# Altium PCB SONDE_2.PcbDoc (part 2 of 10)
Units mil, origin at the board's own origin, x right, y up, seen from the top; angles counter-clockwise.
Board outline 10236.22 x 6701.71 mil, 4 copper layers (Top Layer, GND, Internal Plane 2, Bottom Layer), stack 30.9 mil thick; 1794 components, 936 nets, 4747 pads, 493 vias.
Unrouted connection lines stored in the file: 1122.
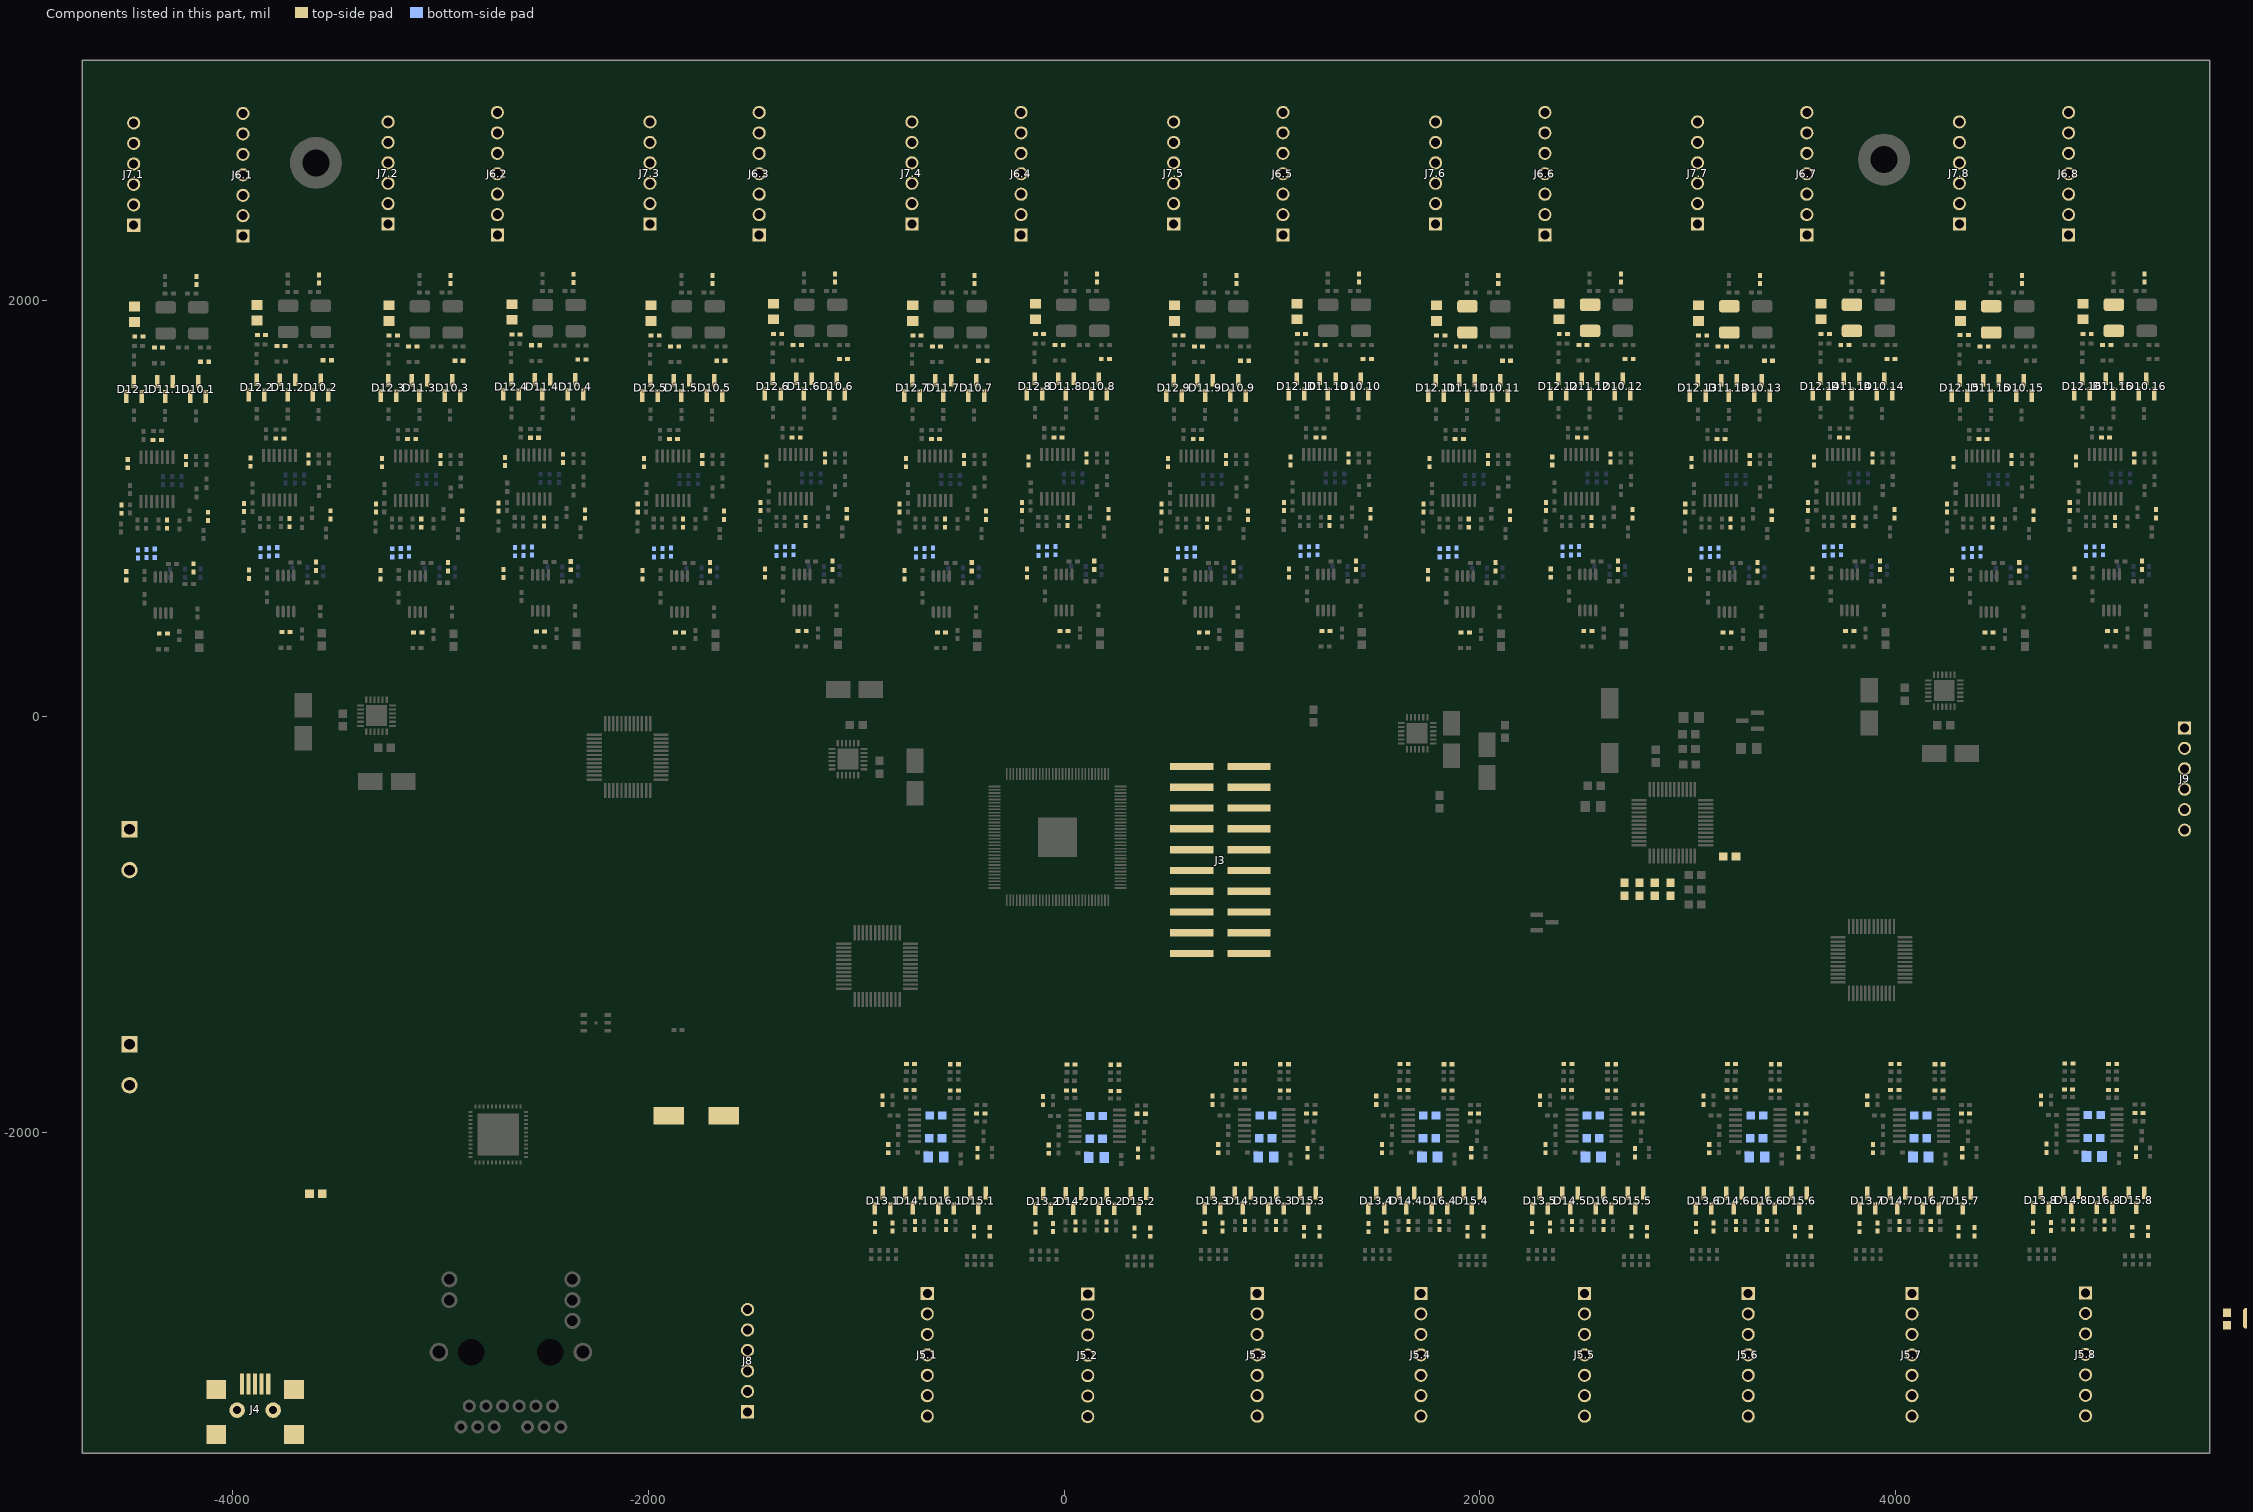
[diagram p4: the components of this part, seen from the top]

## Components (designator, comment, footprint, x,y, rotation, side; value= is the part's Value field where it differs from the comment) (continued)
C72.11 "Capacitor" CAP_1210 1940.18,1911.17 r270 top (schematic designator C72)
C72.12 "Capacitor" CAP_1210 2529.85,1918.65 r270 top (schematic designator C72)
C72.13 "Capacitor" CAP_1210 3200.02,1911.17 r270 top (schematic designator C72)
C72.14 "Capacitor" CAP_1210 3789.7,1918.65 r270 top (schematic designator C72)
C72.15 "Capacitor" CAP_1210 4459.87,1911.17 r270 top (schematic designator C72)
C72.16 "Capacitor" CAP_1210 5049.54,1918.65 r270 top (schematic designator C72)
C73.1 "Capacitor" 0402 -4362.55,1330.78 r0 top (schematic designator C73)
C73.2 "Capacitor" 0402 -3772.88,1338.25 r0 top (schematic designator C73)
C73.3 "Capacitor" 0402 -3138.97,1335.92 r0 top (schematic designator C73)
C73.4 "Capacitor" 0402 -2547.94,1341.51 r0 top (schematic designator C73)
C73.5 "Capacitor" 0402 -1879.13,1335.92 r0 top (schematic designator C73)
C73.6 "Capacitor" 0402 -1289.46,1343.39 r0 top (schematic designator C73)
C73.7 "Capacitor" 0402 -619.29,1335.92 r0 top (schematic designator C73)
C73.8 "Capacitor" 0402 -29.62,1343.39 r0 top (schematic designator C73)
C73.9 "Capacitor" 0402 640.56,1335.92 r0 top (schematic designator C73)
C73.10 "Capacitor" 0402 1230.23,1343.39 r0 top (schematic designator C73)
C73.11 "Capacitor" 0402 1900.4,1335.92 r0 top (schematic designator C73)
C73.12 "Capacitor" 0402 2490.07,1343.39 r0 top (schematic designator C73)
C73.13 "Capacitor" 0402 3160.24,1335.92 r0 top (schematic designator C73)
C73.14 "Capacitor" 0402 3749.91,1343.39 r0 top (schematic designator C73)
C73.15 "Capacitor" 0402 4420.08,1335.92 r0 top (schematic designator C73)
C73.16 "Capacitor" 0402 5009.75,1343.39 r0 top (schematic designator C73)
C74.1 "Capacitor" 0402 -4357.05,1776.03 r0 top (schematic designator C74)
C74.2 "Capacitor" 0402 -3767.37,1783.51 r0 top (schematic designator C74)
C74.3 "Capacitor" 0402 -3133.46,1781.17 r0 top (schematic designator C74)
C74.4 "Capacitor" 0402 -2542.43,1786.76 r0 top (schematic designator C74)
C74.5 "Capacitor" 0402 -1873.62,1781.17 r0 top (schematic designator C74)
C74.6 "Capacitor" 0402 -1283.95,1788.65 r0 top (schematic designator C74)
C74.7 "Capacitor" 0402 -613.78,1781.17 r0 top (schematic designator C74)
C74.8 "Capacitor" 0402 -24.11,1788.65 r0 top (schematic designator C74)
C74.9 "Capacitor" 0402 646.06,1781.17 r0 top (schematic designator C74)
C74.10 "Capacitor" 0402 1235.74,1788.65 r0 top (schematic designator C74)
C74.11 "Capacitor" 0402 1905.91,1781.17 r0 top (schematic designator C74)
C74.12 "Capacitor" 0402 2495.58,1788.65 r0 top (schematic designator C74)
C74.13 "Capacitor" 0402 3165.75,1781.17 r0 top (schematic designator C74)
C74.14 "Capacitor" 0402 3755.42,1788.65 r0 top (schematic designator C74)
C74.15 "Capacitor" 0402 4425.59,1781.17 r0 top (schematic designator C74)
C74.16 "Capacitor" 0402 5015.26,1788.65 r0 top (schematic designator C74)
C75.1 "Capacitor" 0402 -4333.42,399.02 r0 top (schematic designator C75)
C75.2 "Capacitor" 0402 -3743.74,406.49 r0 top (schematic designator C75)
C75.3 "Capacitor" 0402 -3109.83,404.16 r0 top (schematic designator C75)
C75.4 "Capacitor" 0402 -2518.8,409.75 r0 top (schematic designator C75)
C75.5 "Capacitor" 0402 -1849.99,404.16 r0 top (schematic designator C75)
C75.6 "Capacitor" 0402 -1260.32,411.63 r0 top (schematic designator C75)
C75.7 "Capacitor" 0402 -590.15,404.16 r0 top (schematic designator C75)
C75.8 "Capacitor" 0402 -0.48,411.63 r0 top (schematic designator C75)
C75.9 "Capacitor" 0402 669.69,404.16 r0 top (schematic designator C75)
C75.10 "Capacitor" 0402 1259.37,411.63 r0 top (schematic designator C75)
C75.11 "Capacitor" 0402 1929.54,404.16 r0 top (schematic designator C75)
C75.12 "Capacitor" 0402 2519.21,411.63 r0 top (schematic designator C75)
C75.13 "Capacitor" 0402 3189.38,404.16 r0 top (schematic designator C75)
C75.14 "Capacitor" 0402 3779.05,411.63 r0 top (schematic designator C75)
C75.15 "Capacitor" 0402 4449.22,404.16 r0 top (schematic designator C75)
C75.16 "Capacitor" 0402 5038.89,411.63 r0 top (schematic designator C75)
C76.1 "Capacitor" 0402 -4456.08,782.86 r270 bottom (schematic designator C76)
C76.2 "Capacitor" 0402 -3866.4,790.34 r270 bottom (schematic designator C76)
C76.3 "Capacitor" 0402 -3232.49,788 r270 bottom (schematic designator C76)
C76.4 "Capacitor" 0402 -2641.46,793.59 r270 bottom (schematic designator C76)
C76.5 "Capacitor" 0402 -1972.65,788 r270 bottom (schematic designator C76)
C76.6 "Capacitor" 0402 -1382.98,795.47 r270 bottom (schematic designator C76)
C76.7 "Capacitor" 0402 -712.81,788 r270 bottom (schematic designator C76)
C76.8 "Capacitor" 0402 -123.14,795.47 r270 bottom (schematic designator C76)
C76.9 "Capacitor" 0402 547.03,788 r270 bottom (schematic designator C76)
C76.10 "Capacitor" 0402 1136.71,795.47 r270 bottom (schematic designator C76)
C76.11 "Capacitor" 0402 1806.88,788 r270 bottom (schematic designator C76)
C76.12 "Capacitor" 0402 2396.55,795.47 r270 bottom (schematic designator C76)
C76.13 "Capacitor" 0402 3066.72,788 r270 bottom (schematic designator C76)
C76.14 "Capacitor" 0402 3656.39,795.47 r270 bottom (schematic designator C76)
C76.15 "Capacitor" 0402 4326.56,788 r270 bottom (schematic designator C76)
C76.16 "Capacitor" 0402 4916.23,795.47 r270 bottom (schematic designator C76)
C77.1 "Capacitor" 0402 -4415.08,784.93 r270 bottom (schematic designator C77)
C77.2 "Capacitor" 0402 -3825.4,792.41 r270 bottom (schematic designator C77)
C77.3 "Capacitor" 0402 -3191.49,790.07 r270 bottom (schematic designator C77)
C77.4 "Capacitor" 0402 -2600.46,795.66 r270 bottom (schematic designator C77)
C77.5 "Capacitor" 0402 -1931.65,790.07 r270 bottom (schematic designator C77)
C77.6 "Capacitor" 0402 -1341.98,797.55 r270 bottom (schematic designator C77)
C77.7 "Capacitor" 0402 -671.81,790.07 r270 bottom (schematic designator C77)
C77.8 "Capacitor" 0402 -82.14,797.55 r270 bottom (schematic designator C77)
C77.9 "Capacitor" 0402 588.03,790.07 r270 bottom (schematic designator C77)
C77.10 "Capacitor" 0402 1177.71,797.55 r270 bottom (schematic designator C77)
C77.11 "Capacitor" 0402 1847.88,790.07 r270 bottom (schematic designator C77)
C77.12 "Capacitor" 0402 2437.55,797.55 r270 bottom (schematic designator C77)
C77.13 "Capacitor" 0402 3107.72,790.07 r270 bottom (schematic designator C77)
C77.14 "Capacitor" 0402 3697.39,797.55 r270 bottom (schematic designator C77)
C77.15 "Capacitor" 0402 4367.56,790.07 r270 bottom (schematic designator C77)
C77.16 "Capacitor" 0402 4957.23,797.55 r270 bottom (schematic designator C77)
C78.1 "Capacitor" 0402 -4375,785.91 r270 bottom (schematic designator C78)
C78.2 "Capacitor" 0402 -3785.33,793.39 r270 bottom (schematic designator C78)
C78.3 "Capacitor" 0402 -3151.42,791.05 r270 bottom (schematic designator C78)
C78.4 "Capacitor" 0402 -2560.39,796.64 r270 bottom (schematic designator C78)
C78.5 "Capacitor" 0402 -1891.58,791.05 r270 bottom (schematic designator C78)
C78.6 "Capacitor" 0402 -1301.9,798.53 r270 bottom (schematic designator C78)
C78.7 "Capacitor" 0402 -631.73,791.05 r270 bottom (schematic designator C78)
C78.8 "Capacitor" 0402 -42.06,798.53 r270 bottom (schematic designator C78)
C78.9 "Capacitor" 0402 628.11,791.05 r270 bottom (schematic designator C78)
C78.10 "Capacitor" 0402 1217.78,798.53 r270 bottom (schematic designator C78)
C78.11 "Capacitor" 0402 1887.95,791.05 r270 bottom (schematic designator C78)
C78.12 "Capacitor" 0402 2477.62,798.53 r270 bottom (schematic designator C78)
C78.13 "Capacitor" 0402 3147.79,791.05 r270 bottom (schematic designator C78)
C78.14 "Capacitor" 0402 3737.47,798.53 r270 bottom (schematic designator C78)
C78.15 "Capacitor" 0402 4407.64,791.05 r270 bottom (schematic designator C78)
C78.16 "Capacitor" 0402 4997.31,798.53 r270 bottom (schematic designator C78)
C79.1 "Capacitor" 0402 -4119,963.43 r90 top (schematic designator C79)
C79.2 "Capacitor" 0402 -3529.33,970.9 r90 top (schematic designator C79)
C79.3 "Capacitor" 0402 -2895.42,968.57 r90 top (schematic designator C79)
C79.4 "Capacitor" 0402 -2304.39,974.16 r90 top (schematic designator C79)
C79.5 "Capacitor" 0402 -1635.58,968.57 r90 top (schematic designator C79)
C79.6 "Capacitor" 0402 -1045.9,976.04 r90 top (schematic designator C79)
C79.7 "Capacitor" 0402 -375.73,968.57 r90 top (schematic designator C79)
C79.8 "Capacitor" 0402 213.94,976.04 r90 top (schematic designator C79)
C79.9 "Capacitor" 0402 884.11,968.57 r90 top (schematic designator C79)
C79.10 "Capacitor" 0402 1473.78,976.04 r90 top (schematic designator C79)
C79.11 "Capacitor" 0402 2143.95,968.57 r90 top (schematic designator C79)
C79.12 "Capacitor" 0402 2733.62,976.04 r90 top (schematic designator C79)
C79.13 "Capacitor" 0402 3403.79,968.57 r90 top (schematic designator C79)
C79.14 "Capacitor" 0402 3993.47,976.04 r90 top (schematic designator C79)
C79.15 "Capacitor" 0402 4663.64,968.57 r90 top (schematic designator C79)
C79.16 "Capacitor" 0402 5253.31,976.04 r90 top (schematic designator C79)
C80.1 "Capacitor" 0402 -4504.55,1216.72 r90 top (schematic designator C80)
C80.2 "Capacitor" 0402 -3914.88,1224.2 r90 top (schematic designator C80)
C80.3 "Capacitor" 0402 -3280.97,1221.86 r90 top (schematic designator C80)
C80.4 "Capacitor" 0402 -2689.94,1227.45 r90 top (schematic designator C80)
C80.5 "Capacitor" 0402 -2021.13,1221.86 r90 top (schematic designator C80)
C80.6 "Capacitor" 0402 -1431.46,1229.33 r90 top (schematic designator C80)
C80.7 "Capacitor" 0402 -761.29,1221.86 r90 top (schematic designator C80)
C80.8 "Capacitor" 0402 -171.62,1229.33 r90 top (schematic designator C80)
C80.9 "Capacitor" 0402 498.56,1221.86 r90 top (schematic designator C80)
C80.10 "Capacitor" 0402 1088.23,1229.33 r90 top (schematic designator C80)
C80.11 "Capacitor" 0402 1758.4,1221.86 r90 top (schematic designator C80)
C80.12 "Capacitor" 0402 2348.07,1229.33 r90 top (schematic designator C80)
C80.13 "Capacitor" 0402 3018.24,1221.86 r90 top (schematic designator C80)
C80.14 "Capacitor" 0402 3607.91,1229.33 r90 top (schematic designator C80)
C80.15 "Capacitor" 0402 4278.08,1221.86 r90 top (schematic designator C80)
C80.16 "Capacitor" 0402 4867.75,1229.33 r90 top (schematic designator C80)
C81.1 "Capacitor" 0402 -4316.55,925.72 r90 top (schematic designator C81)
C81.2 "Capacitor" 0402 -3726.88,933.2 r90 top (schematic designator C81)
C81.3 "Capacitor" 0402 -3092.97,930.86 r90 top (schematic designator C81)
C81.4 "Capacitor" 0402 -2501.94,936.45 r90 top (schematic designator C81)
C81.5 "Capacitor" 0402 -1833.13,930.86 r90 top (schematic designator C81)
C81.6 "Capacitor" 0402 -1243.46,938.33 r90 top (schematic designator C81)
C81.7 "Capacitor" 0402 -573.29,930.86 r90 top (schematic designator C81)
C81.8 "Capacitor" 0402 16.38,938.33 r90 top (schematic designator C81)
C81.9 "Capacitor" 0402 686.56,930.86 r90 top (schematic designator C81)
C81.10 "Capacitor" 0402 1276.23,938.33 r90 top (schematic designator C81)
C81.11 "Capacitor" 0402 1946.4,930.86 r90 top (schematic designator C81)
C81.12 "Capacitor" 0402 2536.07,938.33 r90 top (schematic designator C81)
C81.13 "Capacitor" 0402 3206.24,930.86 r90 top (schematic designator C81)
C81.14 "Capacitor" 0402 3795.91,938.33 r90 top (schematic designator C81)
C81.15 "Capacitor" 0402 4466.08,930.86 r90 top (schematic designator C81)
C81.16 "Capacitor" 0402 5055.75,938.33 r90 top (schematic designator C81)
C82.1 "Capacitor" 0805 -4471.61,1936.03 r270 top (schematic designator C82)
C82.2 "Capacitor" 0805 -3881.94,1943.51 r270 top (schematic designator C82)
C82.3 "Capacitor" 0805 -3248.03,1941.17 r270 top (schematic designator C82)
C82.4 "Capacitor" 0805 -2657,1946.76 r270 top (schematic designator C82)
C82.5 "Capacitor" 0805 -1988.19,1941.17 r270 top (schematic designator C82)
C82.6 "Capacitor" 0805 -1398.52,1948.65 r270 top (schematic designator C82)
C82.7 "Capacitor" 0805 -728.35,1941.17 r270 top (schematic designator C82)
C82.8 "Capacitor" 0805 -138.67,1948.65 r270 top (schematic designator C82)
C82.9 "Capacitor" 0805 531.5,1941.17 r270 top (schematic designator C82)
C82.10 "Capacitor" 0805 1121.17,1948.65 r270 top (schematic designator C82)
C82.11 "Capacitor" 0805 1791.34,1941.17 r270 top (schematic designator C82)
C82.12 "Capacitor" 0805 2381.01,1948.65 r270 top (schematic designator C82)
C82.13 "Capacitor" 0805 3051.18,1941.17 r270 top (schematic designator C82)
C82.14 "Capacitor" 0805 3640.85,1948.65 r270 top (schematic designator C82)
C82.15 "Capacitor" 0805 4311.02,1941.17 r270 top (schematic designator C82)
C82.16 "Capacitor" 0805 4900.7,1948.65 r270 top (schematic designator C82)
C83.1 "Capacitor" 0402 -4534.84,998.06 r270 top (schematic designator C83)
C83.2 "Capacitor" 0402 -3945.17,1005.54 r270 top (schematic designator C83)
C83.3 "Capacitor" 0402 -3311.26,1003.2 r270 top (schematic designator C83)
C83.4 "Capacitor" 0402 -2720.23,1008.79 r270 top (schematic designator C83)
C83.5 "Capacitor" 0402 -2051.42,1003.2 r270 top (schematic designator C83)
C83.6 "Capacitor" 0402 -1461.74,1010.68 r270 top (schematic designator C83)
C83.7 "Capacitor" 0402 -791.57,1003.2 r270 top (schematic designator C83)
C83.8 "Capacitor" 0402 -201.9,1010.68 r270 top (schematic designator C83)
C83.9 "Capacitor" 0402 468.27,1003.2 r270 top (schematic designator C83)
C83.10 "Capacitor" 0402 1057.94,1010.68 r270 top (schematic designator C83)
C83.11 "Capacitor" 0402 1728.11,1003.2 r270 top (schematic designator C83)
C83.12 "Capacitor" 0402 2317.78,1010.68 r270 top (schematic designator C83)
C83.13 "Capacitor" 0402 2987.95,1003.2 r270 top (schematic designator C83)
C83.14 "Capacitor" 0402 3577.63,1010.68 r270 top (schematic designator C83)
C83.15 "Capacitor" 0402 4247.8,1003.2 r270 top (schematic designator C83)
C83.16 "Capacitor" 0402 4837.47,1010.68 r270 top (schematic designator C83)
C84.1 "Capacitor" 0402 -4451.13,1828.03 r0 top (schematic designator C84)
C84.2 "Capacitor" 0402 -3861.46,1835.51 r0 top (schematic designator C84)
C84.3 "Capacitor" 0402 -3227.55,1833.17 r0 top (schematic designator C84)
C84.4 "Capacitor" 0402 -2636.52,1838.76 r0 top (schematic designator C84)
C84.5 "Capacitor" 0402 -1967.71,1833.17 r0 top (schematic designator C84)
C84.6 "Capacitor" 0402 -1378.04,1840.65 r0 top (schematic designator C84)
C84.7 "Capacitor" 0402 -707.87,1833.17 r0 top (schematic designator C84)
C84.8 "Capacitor" 0402 -118.19,1840.65 r0 top (schematic designator C84)
C84.9 "Capacitor" 0402 551.98,1833.17 r0 top (schematic designator C84)
C84.10 "Capacitor" 0402 1141.65,1840.65 r0 top (schematic designator C84)
C84.11 "Capacitor" 0402 1811.82,1833.17 r0 top (schematic designator C84)
C84.12 "Capacitor" 0402 2401.49,1840.65 r0 top (schematic designator C84)
C84.13 "Capacitor" 0402 3071.66,1833.17 r0 top (schematic designator C84)
C84.14 "Capacitor" 0402 3661.33,1840.65 r0 top (schematic designator C84)
C84.15 "Capacitor" 0402 4330,1835 r0 top (schematic designator C84)
C84.16 "Capacitor" 0402 4921.18,1840.65 r0 top (schematic designator C84)
C85 "Capacitor" 0603 18856.1,3699.03 r90 top
C86 "Capacitor" 0603 18396.1,3699.03 r90 top
C87 "Capacitor" 0805 18173.1,3689.03 r90 top
C88 "Capacitor" 1206 16989.1,3714.03 r0 top
C89 "Capacitor" 0603 17167.1,3699.03 r90 top
C90 "Capacitor_Polarized" CAP_RAD_SMD_DIA157 16509.1,3614.03 r90 top
C91 "Capacitor_Polarized" CAP_RAD_SMD_DIA157 16748.1,3614.03 r90 top
C92 "Capacitor" 0603 15986.1,3699.03 r90 top
C93 "Capacitor_Polarized" CAP_RAD_SMD_DIA157 15571.1,3614.03 r90 top
C94 "Capacitor_Polarized" CAP_RAD_SMD_DIA157 15810.1,3614.03 r90 top
C95 "Capacitor" 0603 15278.1,3699.03 r90 top
C96 "Capacitor" 0603 15048.1,3699.03 r90 top
C97 "Capacitor" 0603 12658.1,3699.03 r90 top
C98 "Capacitor" 0603 11379.1,3699.03 r90 top
C99 "Capacitor" 0603 11609.1,3699.03 r90 top
C100 "Capacitor" 0603 11839.1,3699.03 r90 top
C101 "Capacitor" 0603 12118.1,3699.03 r90 top
C102 "Capacitor" 0603 12378.1,3699.03 r90 top
C103 "Capacitor" 0603 10259.1,3699.03 r90 top
C104 "Capacitor" 0603 10539.1,3699.03 r90 top
C105 "Capacitor" 0603 10819.1,3699.03 r90 top
C106 "Capacitor" 0603 11099.1,3699.03 r90 top
C107 "Capacitor" 0603 9149.1,3699.03 r90 top
C108 "Capacitor" 0603 9429.1,3699.03 r90 top
C109 "Capacitor" 0603 9709.1,3699.03 r90 top
C110 "Capacitor" 0603 9989.1,3699.03 r90 top
C111 "Capacitor" 0603 8089.1,3699.03 r90 top
C112 "Capacitor" 0603 8339.1,3699.03 r90 top
C113 "Capacitor" 0603 8609.1,3699.03 r90 top
C114 "Capacitor" 0603 8879.1,3699.03 r90 top
C115 "Capacitor" 0603 6740.1,3699.03 r90 top
C116 "Capacitor" 0603 7010.1,3699.03 r90 top
C117 "Capacitor" 0603 7280.1,3699.03 r90 top
C118 "Capacitor" 0603 7550.1,3699.03 r90 top
C119 "Capacitor" 0603 7819.1,3699.03 r90 top
C120 "Capacitor" 0603 6460.1,3699.03 r90 top
C121.1 "Capacitor" 0603 10056.1,5342.03 r90 top (schematic designator C121)
C121.2 "Capacitor" 0603 10966.1,5837.03 r90 top (schematic designator C121)
C122.1 "Capacitor" 0603 9687.1,5342.03 r90 top (schematic designator C122)
C122.2 "Capacitor" 0603 10577.1,5837.03 r90 top (schematic designator C122)
C123.1 "Capacitor" 0603 -3599.67,-2295 r0 top (schematic designator C123)
C123.2 "Capacitor" 0603 9457.1,5837.03 r90 top (schematic designator C123)
C124.1 "Capacitor" 0603 9317.1,5342.03 r90 top (schematic designator C124)
C124.2 "Capacitor" 0603 9847.1,5837.03 r90 top (schematic designator C124)
C125.1 "Capacitor" 0603 8947.1,5342.03 r90 top (schematic designator C125)
C125.2 "Capacitor" 0603 9067.1,5837.03 r90 top (schematic designator C125)
C126.1 "Capacitor_Polarized_1" CAP_RAD_SMD_DIA315 7377.1,5237.03 r0 top (schematic designator C126)
C126.2 "Capacitor_Polarized_1" CAP_RAD_SMD_DIA315 7417.1,5732.03 r0 top (schematic designator C126)
C127.1 "Capacitor" 0603 6830.1,5342.03 r90 top (schematic designator C127)
C127.2 "Capacitor" 0603 6850.1,5837.03 r90 top (schematic designator C127)
C128.1 "Capacitor" 0603 6460.1,5342.03 r90 top (schematic designator C128)
C128.2 "Capacitor" 0603 6460.1,5837.03 r90 top (schematic designator C128)
C129.1 "Capacitor" 0603 5920,-3686 r90 top (schematic designator C129)
C129.2 "Capacitor" 0603 5594.1,-2897.97 r90 top (schematic designator C129)
C130.1 "Capacitor" 0603 5795,-3382 r90 top (schematic designator C130)
C130.2 "Capacitor" 0603 5984.1,-2897.97 r90 top (schematic designator C130)
C131.1 "Capacitor" 0603 6421,-3389 r90 top (schematic designator C131)
C131.2 "Capacitor" 0603 6374.1,-2897.97 r90 top (schematic designator C131)
C132.1 "Capacitor" 0402 -873.39,-1845.46 r90 top (schematic designator C132)
C132.2 "Capacitor" 0402 -101.31,-1847.54 r90 top (schematic designator C132)
C132.3 "Capacitor" 0402 713.86,-1845.46 r90 top (schematic designator C132)
C132.4 "Capacitor" 0402 1501.26,-1845.46 r90 top (schematic designator C132)
C132.5 "Capacitor" 0402 2288.66,-1845.46 r90 top (schematic designator C132)
C132.6 "Capacitor" 0402 3076.07,-1845.46 r90 top (schematic designator C132)
C132.7 "Capacitor" 0402 3863.47,-1845.46 r90 top (schematic designator C132)
C132.8 "Capacitor" 0402 4698.69,-1843.38 r90 top (schematic designator C132)
C133.1 "Capacitor" 0402 -910.79,-2458.46 r270 top (schematic designator C133)
C133.2 "Capacitor" 0402 -138.72,-2460.54 r270 top (schematic designator C133)
C133.3 "Capacitor" 0402 676.46,-2458.46 r270 top (schematic designator C133)
C133.4 "Capacitor" 0402 1463.86,-2458.46 r270 top (schematic designator C133)
C133.5 "Capacitor" 0402 2251.26,-2458.46 r270 top (schematic designator C133)
C133.6 "Capacitor" 0402 3038.66,-2458.46 r270 top (schematic designator C133)
C133.7 "Capacitor" 0402 3826.07,-2458.46 r270 top (schematic designator C133)
C133.8 "Capacitor" 0402 4661.28,-2456.38 r270 top (schematic designator C133)
C134.1 "Capacitor" 0805 -616.59,-2118.46 r0 bottom (schematic designator C134)
C134.2 "Capacitor" 0805 155.49,-2120.54 r0 bottom (schematic designator C134)
C134.3 "Capacitor" 0805 970.67,-2118.46 r0 bottom (schematic designator C134)
C134.4 "Capacitor" 0805 1758.07,-2118.46 r0 bottom (schematic designator C134)
C134.5 "Capacitor" 0805 2545.47,-2118.46 r0 bottom (schematic designator C134)
C134.6 "Capacitor" 0805 3332.87,-2118.46 r0 bottom (schematic designator C134)
C134.7 "Capacitor" 0805 4120.27,-2118.46 r0 bottom (schematic designator C134)
C134.8 "Capacitor" 0805 4955.49,-2116.38 r0 bottom (schematic designator C134)
C135.1 "Capacitor" 0603 -618.08,-2028.46 r0 bottom (schematic designator C135)
C135.2 "Capacitor" 0603 154,-2030.54 r0 bottom (schematic designator C135)
C135.3 "Capacitor" 0603 969.18,-2028.46 r0 bottom (schematic designator C135)